# Altium PCB Fri3D_Air_2018_00.PcbDoc
Units mm, origin at the board's own origin, x right, y up, seen from the top; angles counter-clockwise.
Board outline 64.2 x 27.87 mm, 2 copper layers (Top Layer, Bottom Layer), stack 1.571 mm thick; 24 components, 13 nets, 81 pads, 15 vias.
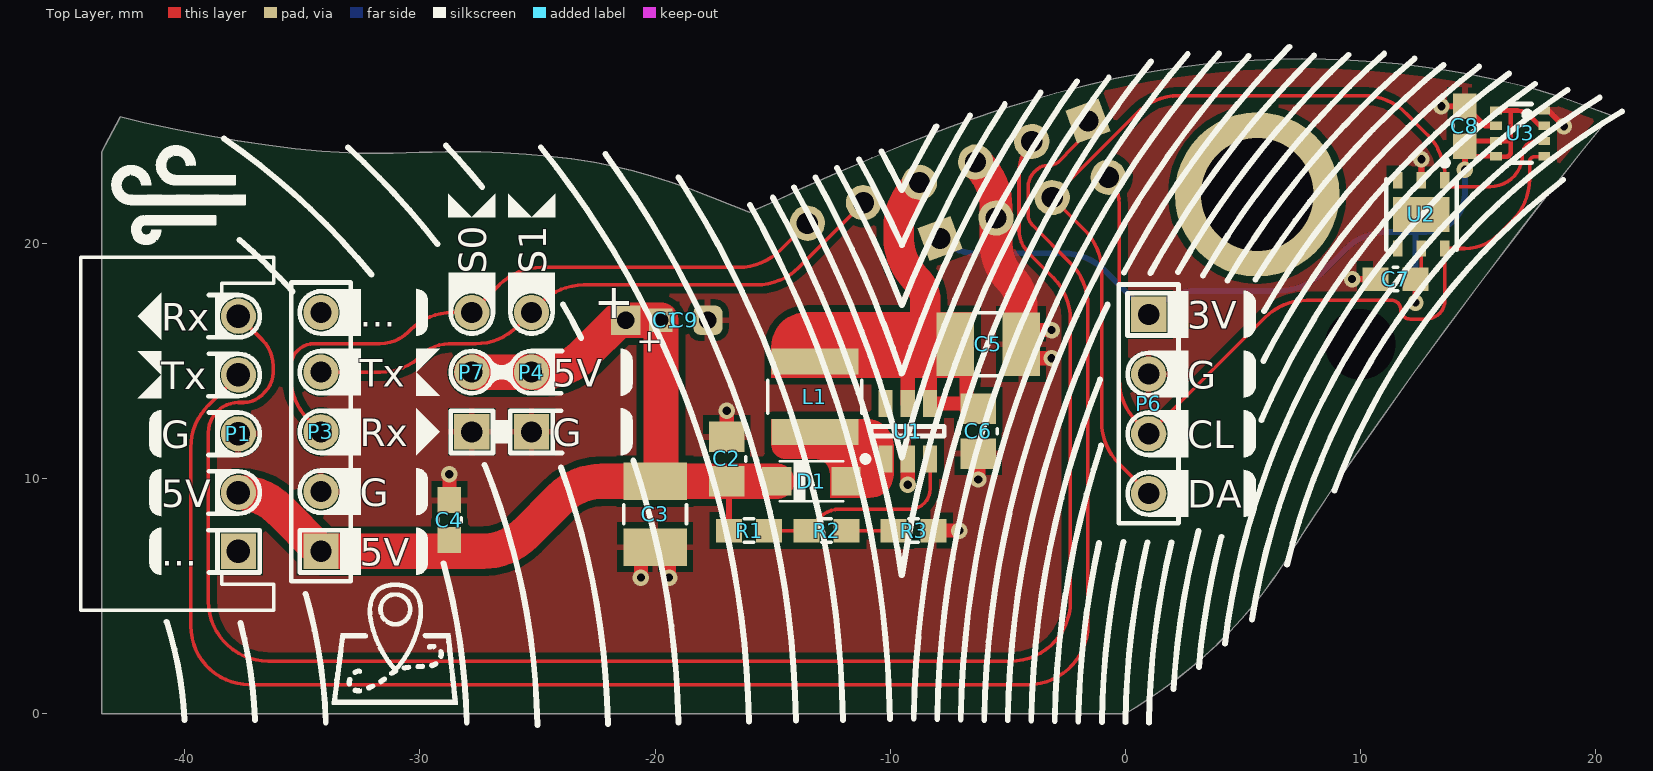
[diagram p0: Top Layer view]
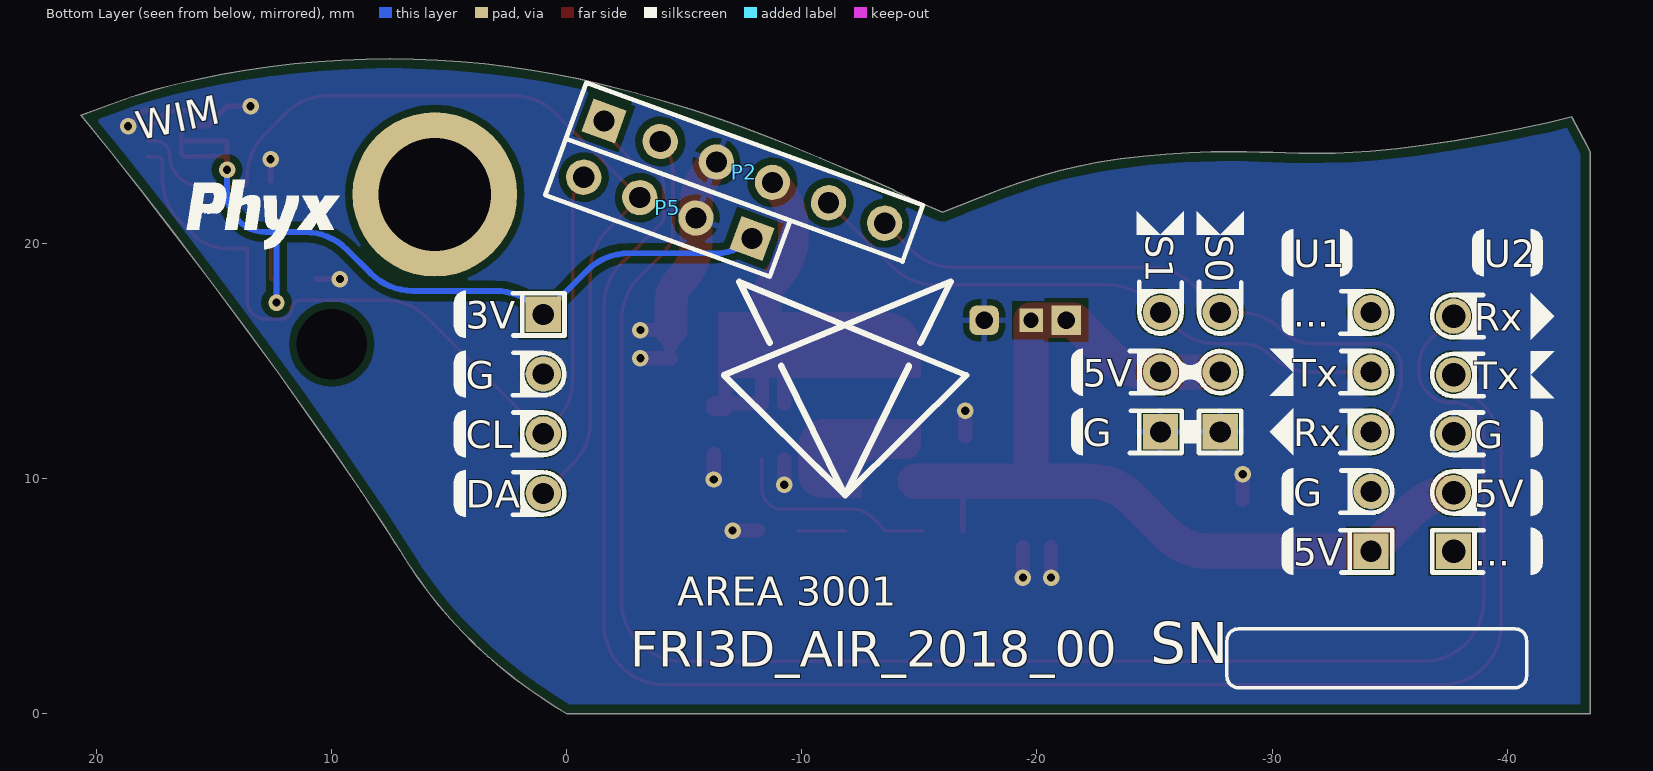
[diagram p1: Bottom Layer view, seen from below]

## Layer stack, top to bottom
Top Solder: solder mask 0.0102, Solder Resist, Dk 3.5
Top Layer: signal copper 0.0356
Dielectric1: core 1.5, FR-4, Dk 4.8
Bottom Layer: signal copper 0.0356
Bottom Solder: solder mask 0.0102, Solder Resist, Dk 3.5

## Board outline
-43.527,0 -43.527,23.915 -43.245,24.48 -42.751,25.397 -41.728,25.15 ccw(c-27.022,91.414) -36.428,24.192 ccw(c-30.597,66.64) -34.173,23.943 ccw(c-31.85,51.217) -31.958,23.845 -31.146,23.845 -30.02,23.885 -29.47,23.901 -28.928,23.911 -28.395,23.915 cw(c-28.002,-8.552) -22.592,23.464 cw(c-26.808,0.36) -18.522,22.335 cw(c-44.525,-47.454) -16.684,21.623 -15.979,21.34 ccw(c-36.247,69.294) -13.933,22.257 -13.898,22.293 cw(c36.12,-88.332) -9.205,24.297 cw(c15.434,-37.614) -6.533,25.295 cw(c11.053,-24.843) -0.494,27.019 cw(c7.494,-10.242) 7.513,27.866 cw(c7.584,-10.594) 16.674,26.776 cw(c10.268,0.796) 18.224,26.344 cw(c14.925,15.573) 18.836,26.138 20.67,25.467 19.436,23.951 ccw(c194.631,-115.611) 16.654,20.386 ccw(c219.791,-135.427) 10.866,12.534 ccw(c149.095,-85.275) 7.725,7.937 ccw(c32.489,-8.506) 7.316,7.304 7.12,6.992 6.928,6.685 6.737,6.384 cw(c-9.561,16.952) 1.642,1.084 cw(c-12.655,20.958) 0,0

## Design rules (kind name [scope] priority, off if disabled: settings)
BoardOutlineClearance [NOT OnLayer('Top Overlay') AND NOT OnLayer('Bottom Overlay') AND NOT IsText] p1: gap=0.4 ignorepadtopadclearanceinfootprint=FALSE except(0: Arc-SplitContinuation Track-SplitContinuation SMDPad-SplitContinuation THPad-SplitContinuation Via-SplitContinuation Fill-SplitContinuation Poly-SplitContinuation Region-SplitContinuation Text-SplitContinuation)
Clearance Clearance_GND_POLY [InNamedPolygon('B_GND')] p1: gap=0.4 ignorepadtopadclearanceinfootprint=FALSE except(0: Arc-Hole Track-Hole SMDPad-Hole THPad-Hole Via-Hole Fill-Hole Poly-Hole Region-Hole Text-Hole)
Clearance [All] p2: gap=0.15 ignorepadtopadclearanceinfootprint=FALSE except(0: Arc-Hole Track-Hole SMDPad-Hole THPad-Hole Via-Hole Fill-Hole Poly-Hole Region-Hole Text-Hole; 0.3: Arc-Poly Track-Poly SMDPad-Poly THPad-Poly Via-Poly Fill-Poly Poly-Region; 1.1: Poly-Poly)
HoleSize [All] p1: absolutevalues=TRUE maxlimit=10 minlimit=0.025 maxpercent=80.000 minpercent=20.000
PolygonConnect PolygonConnect_VIA [IsVia] p1: connectstyle=Direct reliefconductorwidth=0.254 reliefentries=4 polygonreliefangle="90 Angle" airgapwidth=0.254
PolygonConnect [All] p2: connectstyle=Relief reliefconductorwidth=0.254 reliefentries=4 polygonreliefangle="90 Angle" airgapwidth=0.254
RoutingVias [All] p1: holewidth=0.3 width=0.7 viastyle="Through Hole" minholewidth=0.3 minwidth=0.2 maxholewidth=0.6 maxwidth=1.2
SilkToSolderMaskClearance SilkscreenOverComponentPads [IsPad] p1: minsilkscreentomaskgap=0.254 clearancetoexposedcopper=TRUE
SolderMaskExpansion [All] p1: expansion=0.05
Width [All] p1: maxlimit=5 minlimit=0.15 preferedwidth=0.25
28 further rules are at their usual default settings.

## Classes and differential pairs
net class POWER: 3V3_AUX 5V GND VSYS

## Components (designator, comment, footprint, x,y, rotation, side; value= is the part's Value field where it differs from the comment)
C1 "CAP_POL" C_8x15_3.5mm -19.5,16.75 r0 top value="330µF 25V"
C2 "CAP_CERAMIC" C0805_N -16.95,10.849 r90 top value="10uF 10V"
C3 "CAP_CERAMIC" C1210_N -20,8.5 r270 top value="22uF 10V"
C4 "" C0603_N -28.75,8.25 r90 top value="100nF 16V"
C5 "CAP_CERAMIC" C1210_N -5.829,15.73 r0 top value="22uF 10V"
C6 "CAP_CERAMIC" C0805_N -6.25,12.024 r270 top value="10uF 10V"
C7 "" C0603_N 11.5,18.5 r180 top value="100nF 16V"
C8 "" C0603_N 14.451,25 r90 top value="100nF 16V"
C9 "CAP_POL" C_5x11_2mm -18.75,16.75 r0 top value="100uF 10V"
D1 "NTS260SFT1G  Schottky Rectifier, Single, 60 V, 2 A, SOD-123, 650 mV" ON_SOD-123FL -13.35,9.9 r0 top value=NTS260SFT1G
L1 "SWPA4020S4R7MT" SNL_SWPA4020 -13.2,13.5 r270 top value=4u7H
P1 "Header 2.5mm RA Shrouded 5" WE_68800511722 -37.723,6.92 r270 top value=68800511722
P2 "Header 6" HDR1X6 -1.587,25.22 r200 bottom
P3 "Header 5" HDR1X5 -34.21,6.92 r90 top
P4 "Header 3" HDR1X3 -25.254,12 r90 top
P5 "Header 4" HDR1X4 -7.879,20.227 r20 bottom
P6 "Header 4" HDR1X4 1,17 r270 top
P7 "Header 3" HDR1X3 -27.794,12 r90 top
R1 "RESISTOR" R0603_N -16,7.8 r0 top value=82K
R2 "RESISTOR" R0603_N -12.7,7.8 r0 top value=10K
R3 "RESISTOR" R0603_N -9,7.8 r0 top value=1K
U1 "High Efficiency 1.2MHz 2A Step Up Converter  SX1308" SOT23-6 -9.25,12.024 r90 top value=SX1308
U2 "Sensirion SHT20 temperature and humidity sensor I2C" SNS_DFN6 12.6,21.25 r270 top value=SHT20
U3 "Bosch BME280 Temperature, humidity, pressure sensor I2C" BOS_BME280 16.8,24.7 r0 top value=BME280

## Footprints (in the part's own frame and the unit in brackets; to place one, negate y for a bottom-side part, rotate by r counter-clockwise, add the part's x,y. Pads: shape width x height; smd on the part's side, far side on the other; paste and mask are expansions set on the pad)
BOS_BME280 [mm] "Bosch BME280 sensor"
  rect 0.5x0.35 smd: 1(1.025,0.975) 2(1.025,0.325) 3(1.025,-0.325) 4(1.025,-0.975) 5(-1.025,-0.975) 6(-1.025,-0.325) 7(-1.025,0.325) 8(-1.025,0.975)
  silkscreen extent -0.5,-1.25 0.5,1.25, body extent -1.25,-1.25 1.25,1.25, height 0.93
C0603_N [mm] "Low density"
  rect 1.1x1 smd: 1(-0.85,0) 2(0.85,0)
  silkscreen extent -0.1,-0.5 0.1,0.5, body extent -0.8,-0.4 0.8,0.4, height 0.3
C0805_N [mm] "Low density"
  rect 1.3x1.5 smd: 1(-0.95,0) 2(0.95,0)
  silkscreen extent -0.1,-0.8 0.1,0.8, body extent -1,-0.62 1,0.63, height 0.78
C1210_N [mm] "Low density"
  rect 1.6x2.7 smd: 1(-1.4,0) 2(1.4,0)
  silkscreen extent -0.4,-1.34 0.4,1.34, body extent -1.55,-1.25 1.65,1.25, height 1
C_5x11_2mm [mm] "Capacitor, Electrolytic, Radial; Body 5 x 11mm; 2mm pitch"
  rect 1x1 hole 0.65: 1(-1,0)
  rrect50% 1x1 hole 0.65: 2(1,0)
  body extent -2.5,-2.5 2.5,2.5, height 11
C_8x15_3.5mm [mm] "Capacitor, Electrolytic, Radial; Body 8 x 15mm; 3.5mm pitch"
  rect 1.25x1.25 hole 0.75: 1(-1.75,0)
  rrect50% 1.25x1.25 hole 0.75: 2(1.75,0)
  body extent -4,-4 4,4, height 15
HDR1X3 [mm] "Connector; Header; 3 Position"
  rect 1.5x1.5 hole 0.9: 1(0,0)
  round 1.5 hole 0.9: 2(2.54,0) 3(5.08,0)
  body extent -1.27,-1.23 6.35,1.27, height 8.2
HDR1X4 [mm] "Connector; Header; 4 Position"
  rect 1.5x1.5 hole 0.9: 1(0,0)
  round 1.5 hole 0.9: 2(2.54,0) 3(5.08,0) 4(7.62,0)
  silkscreen extent -1.27,-1.27 8.89,1.27, body extent -1.27,-1.23 8.89,1.27, height 8.2
HDR1X5 [mm] "Connector; Header; 5 Position"
  rect 1.5x1.5 hole 0.9: 1(0,0)
  round 1.5 hole 0.9: 2(2.54,0) 3(5.08,0) 4(7.62,0) 5(10.16,0)
  silkscreen extent -1.27,-1.27 11.43,1.27, body extent -1.3,-1.25 11.4,1.25, height 8.2
HDR1X6 [mm] "Connector; Header; 6 Position"
  rect 1.5x1.5 hole 0.9: 1(0,0)
  round 1.5 hole 0.9: 2(2.54,0) 3(5.08,0) 4(7.62,0) 5(10.16,0) 6(12.7,0)
  silkscreen extent -1.27,-1.27 13.97,1.27, body extent -1.27,-1.23 13.97,1.27, height 8.2
ON_SOD-123FL [mm] "ON_SOD-123FL"
  rect 1.25x1.22 smd: 1(-1.475,0) 2(1.475,0)
  silkscreen extent -1.35,-0.85 1.35,0.85, body extent -1.8,-0.82 1.8,0.83, height 0.95
R0603_N [mm] "Low density"
  rect 1.1x1 smd: 1(-0.85,0) 2(0.85,0)
  silkscreen extent -0.2,-0.5 0.2,0.5, body extent -0.8,-0.41 0.8,0.41, height 0.45
SNL_SWPA4020 [mm] "Sunlord SWPA4020 4x4x2mm inductor"
  rect 1.1x3.7 smd: 1(-1.5,0) 2(1.5,0)
  silkscreen extent -0.7,-2 0.7,2, body extent -2,-2 2,2, height 2.05
SNS_DFN6 [mm] "150 mil body width"
  rect 0.7x0.4 smd: 1(-1.45,1) 2(-1.45,0) 3(-1.45,-1) 4(1.45,-1) 5(1.45,0) 6(1.45,1)
  rect 1.5x2.4 smd: 7(0,0)
  silkscreen extent -2.32,-1.5 1.5,1.5, body extent -1.5,-1.5 1.5,1.5, height 1.1
SOT23-6 [mm] "SOT23, 6-Leads, Body 3,1x3,2mm (max), Pitch 0,95mm, IPC Medium Density"
  rect 1.15x0.6 smd: 1(-1.175,0.95) 2(-1.175,0) 3(-1.175,-0.95) 4(1.175,-0.95) 5(1.175,0) 6(1.175,0.95)
  silkscreen extent -1.3,-1.55 0.2,1.92, body extent -1.5,-1.55 1.5,1.55, height 1.4
WE_68800511722 [mm] "Wurth WTB 2.5 J style Shrouded"
  rect 1.5x1.5 hole 1: 1(0,0)
  round 1.5 hole 1: 2(-2.5,0) 3(-5,0) 4(-7.5,0) 5(-10,0)
  silkscreen extent -12.5,-6.7 2.5,1.5, body extent -12.5,-6.7 2.5,1.5, height 4.2

## Part data
C1: library part "CAP 330µF 25V 8x15mm", "Capacitor electrolyt", Supplier Part Number 1=1855168, Supplier 1=Farnell
C2 C6: library part "CAP # 10uF 10V 0805", "Capacitor Ceramic", Supplier Part Number 1=2320859, Supplier 1=Farnell
C3 C5: library part "CAP # 22uF 10V 1210 X5R", "Capacitor Ceramic"
C4 C7 C8: library part "CAP # 100nF 16V 0603", "Capacitor Ceramic"
C9: library part "CAP 100uF 10V 5x11mm", "Capacitor electrolyt", Supplier Part Number 1=1902882, Supplier 1=Farnell
D1: library part "Schottky # NTS260SFT1G", "=Description", Supplier Part Number 1=2473419, Supplier 1=Farnell
L1: library part "IND # 4u7H SWPA4020", Supplier 1=China, Supplier Part Number 1=SWPA4020S4R7MT
P1: library part "HDR # RA SHR 2.5mm 5way - 68800511722", Supplier Part Number 1=68800511722, Supplier 1=Wurth
P2: library part "Pin Header 2.54mm 6way"
P3: library part "Pin Header 2.54mm 5way"
P4 P7: library part "Pin Header 2.54mm 3way"
P5 P6: library part "Pin Header 2.54mm 4way"
R1: library part "RES # 82K 0603"
R2: library part "RES # 10K 0603", Supplier Part Number 1=2502397, Supplier 1=Farnell
R3: library part "RES # 1K 0603"
U1: library part "PWR # Boost SX1308", "=Description"
U2: library part "TMP HUM # SHT20", "=Description", Supplier Part Number 1=1649-1004-1-ND, Supplier 1=Digikey
U3: library part "TMP HUM PRES # BME280", "=Description", Supplier Part Number 1=262-BME280, Supplier 1=Mouser

## Free pads (board coordinates)
  round 7 hole 4.8: 0(5.615,22.102)
  round 1.4 hole 3 unplated: 3(10,15.73)

## Via types
v1: diameter 0.7, hole 0.35, Top Layer to Bottom Layer, tented top, 15 vias

## Nets (pads, with @x,y where several pads share a name; then routed paths per layer and width w, separated by ;. In a path a pad name is that pad's centre, name@x,y a point inside that pad or via, vN(x,y) a via of type N, cw(c..) or ccw(c..) an arc to the next point about the centre after c; other vN are vias at no path point)
3V3_AUX: C7.1 C8.1 P5.1 P6.1 U2.5 U3.2 U3.5 U3.6 U3.8 | length 41.5
  Top Layer w0.15: C7.1 12.6,18.5 U2.5 ; U3.5 ccw(c15.8,23.725) U3.5@15.8,23.7
  Top Layer w0.2: U3.5 14.452,23.725 C8.1 14.452,24.375 U3.6 16.4,24.375 ; U3.8 16.4,25.675 ; U3.5@15.8,23.7 16.2,23.7 ccw(c16.2,23.9) 16.4,23.9 16.4,24.375 ; 16.7,25.675 16.6,25.675 ; U3.2 17.632,25.025 17.252,25.405 ccw(c16.6,24.753) 16.6,25.675 ; 16.4,24.375 16.4,25.675 ; 16.4,25.675 16.6,25.675
  Top Layer w0.25: v1(12.35,17.5) C7.1 ; v1(14.452,23.15) C8.1@14.452,23.725
  Bottom Layer w0.25: P5.1 ccw(c-6.364,21.742) -6.364,19.6 -2.652,19.6 cw(c-2.652,17.06) -0.856,18.856 P6.1 1.256,17.256 cw(c3.052,15.46) 3.052,18 6.548,18 ccw(c6.548,20.54) 8.344,18.744 9.356,19.756 cw(c11.152,17.96) 11.152,20.5 12.35,20.5 ; v1(12.35,17.5) 12.35,20.5 ; v1(14.452,23.15) 14.452,22.152 cw(c12.8,22.152) 12.8,20.5 12.35,20.5
5V: C1.1 C2.1 C3.1 C4.1 C9.1 D1.1 P1.2 P3.1 P4.2 P7.2 R1.1 | length 43
  Top Layer w0.25: C2.1 -16.85,9.899 R1.1
  Top Layer w1.5: P1.2@-37.71,9.42 cw(c-37.71,7.006) -36.003,8.713 P3.1 -27.332,6.92 ccw(c-27.332,9.46) -25.536,7.664 -24.044,9.156 cw(c-22.248,7.36) -22.248,9.9 D1.1 ; P7.2 P4.2 -24.812,14.54 ccw(c-24.812,17.08) -23.016,15.284 -21.55,16.75 C1.1 C9.1 C3.1@-19.75,9.9 ; C3.1 C3.1@-19.75,9.9 ; C3.1@-19.7,9.9 C3.1@-19.75,9.9
GND: C1.2 C2.2 C3.2 C4.2 C5.2 C6.2 C7.2 C8.2 C9.2 P1.3 P2.3 P3.2 P4.1 P5.2 P6.2 P7.1 R3.2 U1.2 U2.2 U3.1 U3.7 | length 24.7
  Top Layer w0.25: v1(9.65,18.5) C7.2 ; U2.2 v1(12.6,23.6) ; v1(13.452,25.85) C8.2 15.189,25.112 ccw(c15.4,25.323) 15.4,25.025 U3.7 ; U3.1 17.989,25.675 v1(18.664,25)
  Top Layer w0.6: C4.2 v1(-28.75,10.2) ; v1(-20.6,5.8) C3.2@-20.6,7.1 ; v1(-19.4,5.8) C3.2@-19.4,7.1 ; C2.2 v1(-16.95,12.899) ; v1(-9.25,9.749) U1.2 ; R3.2 v1(-7.05,7.8) ; v1(-6.25,9.974) C6.2 ; C5.2@-4.429,15.13 v1(-3.129,15.13) ; C5.2@-4.429,16.33 v1(-3.129,16.33)
  Top Layer w0.7: C5.2 C5.2@-4.429,16.33
  Top Layer w1.4: P2.3 -6.236,23.358 cw(c-8.032,21.562) -5.492,21.562 P5.2 -5.492,19.999 ccw(c-3.372,19.999) -4.871,18.5 cw(c-5.939,17.432) -4.429,17.432 C5.2@-4.429,16.33
I2C.SCL: P5.4 P6.3 U2.6 U3.4 | length 36.1
  Top Layer w0.15: P5.4 cw(c-1.85,21.702) -0.25,21.702 -0.25,14.222 ccw(c2.29,14.222) 0.494,12.426 P6.3 5.936,16.856 cw(c7.732,15.06) 7.732,17.6 11.325,17.6 cw(c11.325,17.2) 11.725,17.2 ccw(c12.125,17.2) 12.125,16.8 12.8,16.8 ccw(c12.8,17.6) 13.6,17.6 U2.6 14.451,19.8 ccw(c14.451,21.849) 15.9,20.4 16.456,20.956 ccw(c14.66,22.752) 17.2,22.752 17.2,23.5 cw(c17.4,23.5) 17.4,23.7 17.8,23.7 ccw(c17.8,23.725) U3.4
I2C.SDA: P5.3 P6.4 U2.1 U3.3 | length 40
  Top Layer w0.15: P6.4 -0.256,10.636 cw(c1.54,12.432) -1,12.432 -1,18.807 ccw(c-3.54,18.807) -1.744,20.603 P5.3 0.486,25.556 cw(c2.282,23.76) 2.282,26.3 10.148,26.3 cw(c10.148,23.76) 11.944,25.556 12.856,24.644 cw(c11.06,22.848) 13.6,22.848 U2.1 13.6,22.67 ccw(c13.941,22.67) 13.7,22.429 15.529,22.429 ccw(c15.529,23.8) 16.9,23.8 cw(c17.475,23.8) 17.475,24.375 U3.3
NetD1_2: D1.2 L1.2 U1.1
NetR1_2: R1.2 R2.1 U1.3 | length 8.9
  Top Layer w0.15: R1.2 R2.1 -12.982,8.368 cw(c-12.15,7.537) -12.15,8.713 -9.15,8.713 ccw(c-9.15,9.563) -8.3,9.563 U1.3
NetR2_2: R2.2 R3.1 | length 2
  Top Layer w0.15: R2.2 R3.1
U1.RXD: P2.6 P3.3 P7.3 | length 27.8
  Top Layer w0.15: -35.5,14 -35.5,14.342 ; P3.3 -34.756,12.546 cw(c-32.96,14.342) -35.5,14.342 ; P2.6 -14.654,19.744 cw(c-16.45,21.54) -16.45,19 -24.822,19 ccw(c-24.822,16.46) -26.619,18.256 P7.3 -28.617,17.08 ccw(c-28.617,14.54) -30.413,16.337 -30.5,16.25 cw(c-31.707,17.457) -31.707,15.75 -34.5,15.75 ccw(c-34.5,14.75) -35.5,14.75 -35.5,14.342
U1.TXD: P2.5 P3.4 P4.3 | length 25.6
  Top Layer w0.15: P3.4 -31.685,14.54 ccw(c-31.685,17.08) -29.889,15.284 cw(c-28.764,14.159) -28.764,15.75 -27.637,15.75 ccw(c-27.637,18.29) -25.841,16.494 P4.3 -24.829,17.506 cw(c-23.032,15.71) -23.032,18.25 -15.682,18.25 ccw(c-15.682,20.79) -13.886,18.994 P2.5
U2.RXD: P1.5 P2.2 | length 74.3
  Top Layer w0.15: P1.5@-37.71,16.92 -36.717,15.927 ; -36.716,15.926 cw(c-37.843,14.8) -36.25,14.8 -36.25,14.521 cw(c-37.411,14.521) -36.59,13.7 -36.715,13.575 ; -36.715,13.575 cw(c-37.5,14.361) -37.5,13.25 -37.72,13.25 ccw(c-37.72,11.97) -38.625,12.875 ccw(c-37.72,11.97) -39,11.97 -39,4.79 ccw(c-36.46,4.79) -36.46,2.25 -4.871,2.25 ccw(c-4.871,4.79) -2.331,4.79 -2.331,16.779 ccw(c-4.871,16.779) -3.075,18.575 -4.105,19.605 cw(c-3.11,20.6) -4.517,20.6 -4.517,23.041 cw(c-2.663,23.041) -3.975,24.351 cw(c-2.663,23.041) P2.2
U2.TXD: P1.4 P2.1 | length 76.1
  Top Layer w0.15: P1.4@-37.71,14.42 -39.006,13.124 ccw(c-37.21,11.328) -39.75,11.328 -39.75,3.75 ccw(c-37.25,3.75) -37.25,1.25 -4.127,1.25 ccw(c-4.127,3.79) -1.587,3.79 -1.587,17.385 ccw(c-4.127,17.385) -2.331,19.181 -3.938,20.788 cw(c-3.485,21.24) -4.125,21.24 -4.125,22.429 cw(c-3.229,22.429) -3.862,23.063 -3.812,23.113 cw(c-3.3,22.601) -3.3,23.325 ccw(c-3.3,24.049) -2.788,23.537 -2.225,24.1 -1.587,24.738 P2.1
VSYS: C5.1 C6.1 L1.1 P2.4 U1.4 U1.5 | length 17.5
  Top Layer w0.6: U1.5 -9.25,15.73 ; -8.3,15.73 U1.4 C6.1@-6.75,13.199 ; C5.1@-6.75,15.73 C6.1@-6.75,13.199 ; C6.1@-6.75,13.199 -6.25,13.199 C6.1 -6.75,12.974 C6.1@-6.75,13.199
  Top Layer w1.3: P2.4 -8.896,22.466 ccw(c-7.1,20.67) -9.64,20.67 -9.64,20.292 ccw(c-7.1,20.292) -8.896,18.496 cw(c-9.853,17.539) -8.5,17.539 -8.5,16.25
pads on no net: P1.1 P3.5 U1.6 U2.3 U2.4 U2.7

## Polygon pours and split planes (outlines as drawn)
GND on Bottom Layer "GND_L02_P000" (solid, remove dead copper, pour order 0): -43.527,0 -43.527,28 21,28 21,0
GND on Top Layer "GND_L01_P002" (solid, remove dead copper, pour order 2): -43.527,0 -43.527,28 21,28 21,0

## Keep-outs
Keep-Out Layer:
  text ".Layer_Name" at 275.5,-49 h3.5

## Other copper
Top Layer:
  pour cut-out: -6.533,19.6 cw(c-5.371,17.135) -4.449,19.7 -4.449,24.433 -7.879,24.433 -7.879,21.2
  region net VSYS: -15.05,15.6 cw(c-13.57,15.6) -13.57,17.08 -6.45,17.08 -6.45,14.3 -15.05,14.3
  region net NetD1_2: -9.85,11.4 ccw(c-10.996,11.4) -10.996,12.546 -15.05,12.546 -15.05,11.449 ccw(c-14.45,11.449) -14.45,10.849 -13.199,10.849 cw(c-13.199,10.2) -12.55,10.2 -12.55,9.2 -10.85,9.2 ccw(c-10.85,10.2) -9.85,10.2
  region: -15.05,15.3
  text ".Layer_Name" at 275.5,-49 h3.5
Bottom Layer:
  region: 11.2,15.3
  text ".Layer_Name" at 275.5,-49 h3.5

## Silkscreen, mask and mechanical layers (free items; w line width, h text height)
Top Overlay:
  drawing of 238 lines, arcs and shapes, not listed
  text "S0" at -26.794,18.73 h2 r90
  text "S1" at -24.254,18.73 h2 r90
  text "..." at -32.56,16.08 h2
  text "3V" at 2.65,16 h2
  text "Rx" at -41.01,15.92 h2
  text "Tx" at -32.56,13.54 h2
  text "5V" at -24.354,13.54 h2
  text "G" at 2.65,13.46 h2
  text "Tx" at -41.01,13.42 h2
  text "Rx" at -32.56,11 h2
  text "G" at -24.354,11 h2
  text "G" at -41.01,10.92 h2
  text "CL" at 2.65,10.92 h2
  text "G" at -32.56,8.46 h2
  text "5V" at -41.01,8.42 h2
  text "DA" at 2.65,8.38 h2
  text "..." at -41.01,5.92 h2
  text "5V" at -32.56,5.92 h2
  text ".Layer_Name" at 275.5,-49 h3.5
Bottom Overlay:
  drawing of 181 lines, arcs and shapes, not listed
  text "WIM" at 18.1,24 h2.1 r348
  text "S0" at -26.794,20.38 h2 r90
  text "S1" at -24.254,20.38 h2 r90
  text "U2" at -39.01,18.62 h2
  text "U1" at -30.91,18.62 h2
  text "..." at -30.91,16.08 h2
  text "3V" at 4.3,16 h2
  text "Rx" at -38.61,15.92 h2
  text "Tx" at -30.91,13.54 h2
  text "5V" at -21.954,13.54 h2
  text "G" at 4.3,13.46 h2
  text "Tx" at -38.61,13.42 h2
  text "Rx" at -30.91,11 h2
  text "G" at -21.954,11 h2
  text "G" at -38.61,10.92 h2
  text "CL" at 4.3,10.92 h2
  text "G" at -30.91,8.46 h2
  text "5V" at -38.61,8.42 h2
  text "DA" at 4.3,8.38 h2
  text "..." at -38.61,5.92 h2
  text "5V" at -30.91,5.92 h2
  text "AREA 3001" at -4.7,4.2 h2.1
  text "SN" at -24.82,1.586 h3
  text "FRI3D_AIR_2018_00" at -2.7,1.5 h2.6
  text ".Layer_Name" at 275.5,-49 h3.5
Top Paste:
  text ".Layer_Name" at 275.5,-49 h3.5
Bottom Paste:
  text ".Layer_Name" at 275.5,-49 h3.5
Top Solder:
  text ".Layer_Name" at 275.5,-49 h3.5
Bottom Solder:
  text ".Layer_Name" at 275.5,-49 h3.5
Drill Guide:
  text ".Layer_Name" at 275.5,-49 h3.5
3D Symbols:
  text ".Layer_Name" at 275.5,-49 h3.5
Outline:
  the board outline again, w0.1
Comments:
  lines w0.1: -36.808,0 -0.808,0 -0.808,24 -36.808,24 -36.808,0
  text "Icons made by Smashicons and Yannick from www.flaticon.com" at -40.7,-14.4 h2.6
  text ".Layer_Name" at 275.5,-49 h3.5
Fabrication:
  text ".Layer_Name" at 275.5,-49 h3.5
Placebound Top:
  text ".Layer_Name" at 275.5,-49 h3.5
Placebound Bottom:
  text ".Layer_Name" at 275.5,-49 h3.5
Frame:
  drawing of 15 lines, arcs and shapes, not listed
  text "Document" at 271,-34 h2
  text ".PCB_TITLE" at 272.5,-39.5 h4
  text "Layer Name" at 271,-44 h2
  text "Date" at 271,-54 h2
  text "Rev" at 311,-54 h2
  text ".Print_Date" at 274,-59.5 h3.5
  text ".PCB_REV" at 315.5,-59.5 h4
  text "Desginer" at 221,-64 h2
  text "Document" at 271,-64 h2
  text ".Pcb_File_Name_No_Path" at 272.5,-69 h1.5
  text ".PCB_ENGINEER" at 225.5,-69.5 h4
Assembly Top:
  text ".Layer_Name" at 275.5,-49 h3.5
Assembly Bottom:
  text ".Layer_Name" at 275.5,-49 h3.5
Drill Drawing:
  circle w0.15: c77.322,23.119 r0.444
  lines w0.15: 76.075,10.075 249.067,10.075 ; 76.075,24.075 249.067,24.075 ; 83.473,8.075 83.473,26.075 ; 90.572,8.075 90.572,26.075 ; 106.2,8.075 106.2,26.075 ; 112.999,8.075 112.999,26.075 ; 122.836,8.075 122.836,26.075 ; 142.863,8.075 142.863,26.075 ; 150.781,8.075 150.781,26.075 ; 160.779,8.075 160.779,26.075 ; 171.609,8.075 171.609,26.075 ; 183.046,8.075 183.046,26.075 ; 200.881,8.075 200.881,26.075 ; 218.715,8.075 218.715,26.075 ; 230.312,8.075 230.312,26.075 ; 76.075,8.075 249.067,8.075 249.067,26.075 76.075,26.075 76.075,8.075 ; 76.877,10.675 77.766,10.675 77.766,11.564 76.877,11.564 76.877,10.675 ; 76.877,12.897 77.1,12.897 77.322,12.675 77.544,12.897 77.766,12.897 77.544,13.119 77.766,13.342 77.544,13.342 77.322,13.564 77.1,13.342 76.877,13.342 77.1,13.119 76.877,12.897 ; 76.877,15.564 77.766,15.564 77.322,14.675 76.877,15.564 ; 76.877,16.897 77.1,16.897 77.1,16.675 77.544,16.675 77.544,16.897 77.766,16.897 77.766,17.342 77.544,17.342 77.544,17.564 77.1,17.564 77.1,17.342 76.877,17.342 76.877,16.897 ; 76.877,18.675 77.322,18.897 77.766,18.675 77.544,19.119 77.766,19.564 77.322,19.342 76.877,19.564 77.1,19.119 76.877,18.675 ; 76.877,20.675 76.877,20.897 77.1,21.119 76.877,21.342 76.877,21.564 77.1,21.564 77.322,21.342 77.544,21.564 77.766,21.564 77.766,21.342 77.544,21.119 77.766,20.897 77.766,20.675 77.544,20.675 77.322,20.897 77.1,20.675 76.877,20.675
  text "Symbol" at 77.275,24.675 h0.96
  text "Count" at 84.073,24.675 h0.96
  text "Hole Size" at 91.172,24.675 h0.96
  text "Plated" at 106.8,24.675 h0.96
  text "Hole Type" at 113.599,24.675 h0.96
  text "Drill Layer Pair" at 123.436,24.675 h0.96
  text "Via/Pad" at 143.463,24.675 h0.96
  text "Pad Shape" at 151.381,24.675 h0.96
  text "Template" at 161.379,24.675 h0.96
  text "Description" at 172.209,24.675 h0.96
  text "Hole Tolerance (+)" at 183.646,24.675 h0.96
  text "Hole Tolerance (-)" at 201.481,24.675 h0.96
  text "Hole Length" at 219.315,24.675 h0.96
  text "Routed Path Length" at 230.912,24.675 h0.96
  text "1" at 84.073,22.675 h0.8
  text "3,000mm (118,11mil)" at 91.172,22.675 h0.8
  text "NPTH" at 106.8,22.675 h0.8
  text "Round" at 113.599,22.675 h0.8
  text "Top Layer - Bottom Layer" at 123.436,22.675 h0.8
  text "Pad" at 143.463,22.675 h0.8
  text "Rounded" at 151.381,22.675 h0.8
  text "c140hn300" at 161.379,22.675 h0.8
  text "-" at 219.315,22.675 h0.8
  text "-" at 230.912,22.675 h0.8
  text "1" at 84.073,20.675 h0.8
  text "4,800mm (188,98mil)" at 91.172,20.675 h0.8
  text "PTH" at 106.8,20.675 h0.8
  text "Round" at 113.599,20.675 h0.8
  text "Top Layer - Bottom Layer" at 123.436,20.675 h0.8
  text "Pad" at 143.463,20.675 h0.8
  text "Rounded" at 151.381,20.675 h0.8
  text "c700h480" at 161.379,20.675 h0.8
  text "-" at 219.315,20.675 h0.8
  text "-" at 230.912,20.675 h0.8
  text "2" at 84.073,18.675 h0.8
  text "0,650mm (25,59mil)" at 91.172,18.675 h0.8
  text "PTH" at 106.8,18.675 h0.8
  text "Round" at 113.599,18.675 h0.8
  text "Top Layer - Bottom Layer" at 123.436,18.675 h0.8
  text "Pad" at 143.463,18.675 h0.8
  text "(Mixed)" at 151.381,18.675 h0.8
  text "(Mixed)" at 161.379,18.675 h0.8
  text "-" at 219.315,18.675 h0.8
  text "-" at 230.912,18.675 h0.8
  text "2" at 84.073,16.675 h0.8
  text "0,750mm (29,53mil)" at 91.172,16.675 h0.8
  text "PTH" at 106.8,16.675 h0.8
  text "Round" at 113.599,16.675 h0.8
  text "Top Layer - Bottom Layer" at 123.436,16.675 h0.8
  text "Pad" at 143.463,16.675 h0.8
  text "(Mixed)" at 151.381,16.675 h0.8
  text "(Mixed)" at 161.379,16.675 h0.8
  text "-" at 219.315,16.675 h0.8
  text "-" at 230.912,16.675 h0.8
  text "5" at 84.073,14.675 h0.8
  text "1,000mm (39,37mil)" at 91.172,14.675 h0.8
  text "PTH" at 106.8,14.675 h0.8
  text "Round" at 113.599,14.675 h0.8
  text "Top Layer - Bottom Layer" at 123.436,14.675 h0.8
  text "Pad" at 143.463,14.675 h0.8
  text "(Mixed)" at 151.381,14.675 h0.8
  text "(Mixed)" at 161.379,14.675 h0.8
  text "0,050mm (1,97mil)" at 183.646,14.675 h0.8
  text "0,050mm (1,97mil)" at 201.481,14.675 h0.8
  text "-" at 219.315,14.675 h0.8
  text "-" at 230.912,14.675 h0.8
  text "15" at 84.073,12.675 h0.8
  text "0,350mm (13,78mil)" at 91.172,12.675 h0.8
  text "PTH" at 106.8,12.675 h0.8
  text "Round" at 113.599,12.675 h0.8
  text "Top Layer - Bottom Layer" at 123.436,12.675 h0.8
  text "Via" at 143.463,12.675 h0.8
  text "Rounded" at 151.381,12.675 h0.8
  text "v70h35m0mx60" at 161.379,12.675 h0.8
  text "-" at 219.315,12.675 h0.8
  text "-" at 230.912,12.675 h0.8
  text "25" at 84.073,10.675 h0.8
  text "0,900mm (35,43mil)" at 91.172,10.675 h0.8
  text "PTH" at 106.8,10.675 h0.8
  text "Round" at 113.599,10.675 h0.8
  text "Top Layer - Bottom Layer" at 123.436,10.675 h0.8
  text "Pad" at 143.463,10.675 h0.8
  text "(Mixed)" at 151.381,10.675 h0.8
  text "(Mixed)" at 161.379,10.675 h0.8
  text "-" at 219.315,10.675 h0.8
  text "-" at 230.912,10.675 h0.8
  text "51 Total" at 84.073,8.675 h0.8
  text ".Layer_Name" at 275.5,-49 h3.5

## Dimensions
20.67,25.467 to -43.527,0 on Fabrication
7.513,27.866 to -43.527,0 on Fabrication

## Text inside footprints (layer, text, board x,y; h text height)
C1: Assembly Top "+" at -23.4,19.35 h1.5; Top Overlay "+" at -22.6,16.844 h1.5
C9: Assembly Top "+" at -21.25,18.35 h1; Top Overlay "+" at -20.8,15.4 h1